# Altium PCB PROC114E3_BRD.PcbDoc (part 11 of 18)
Units mm, origin at the board's own origin, x right, y up, seen from the top; angles counter-clockwise.
Board outline 85 x 155.18 mm, 10 copper layers (TOP, L02_GND1, L03_SIG1, L04_GND2, L05_PWR1, L06_PWR2, L07_GND3, L08_SIG2, L09_GND4, BOTTOM), stack 1.134 mm thick; 1389 components, 1010 nets, 5137 pads, 3263 vias.
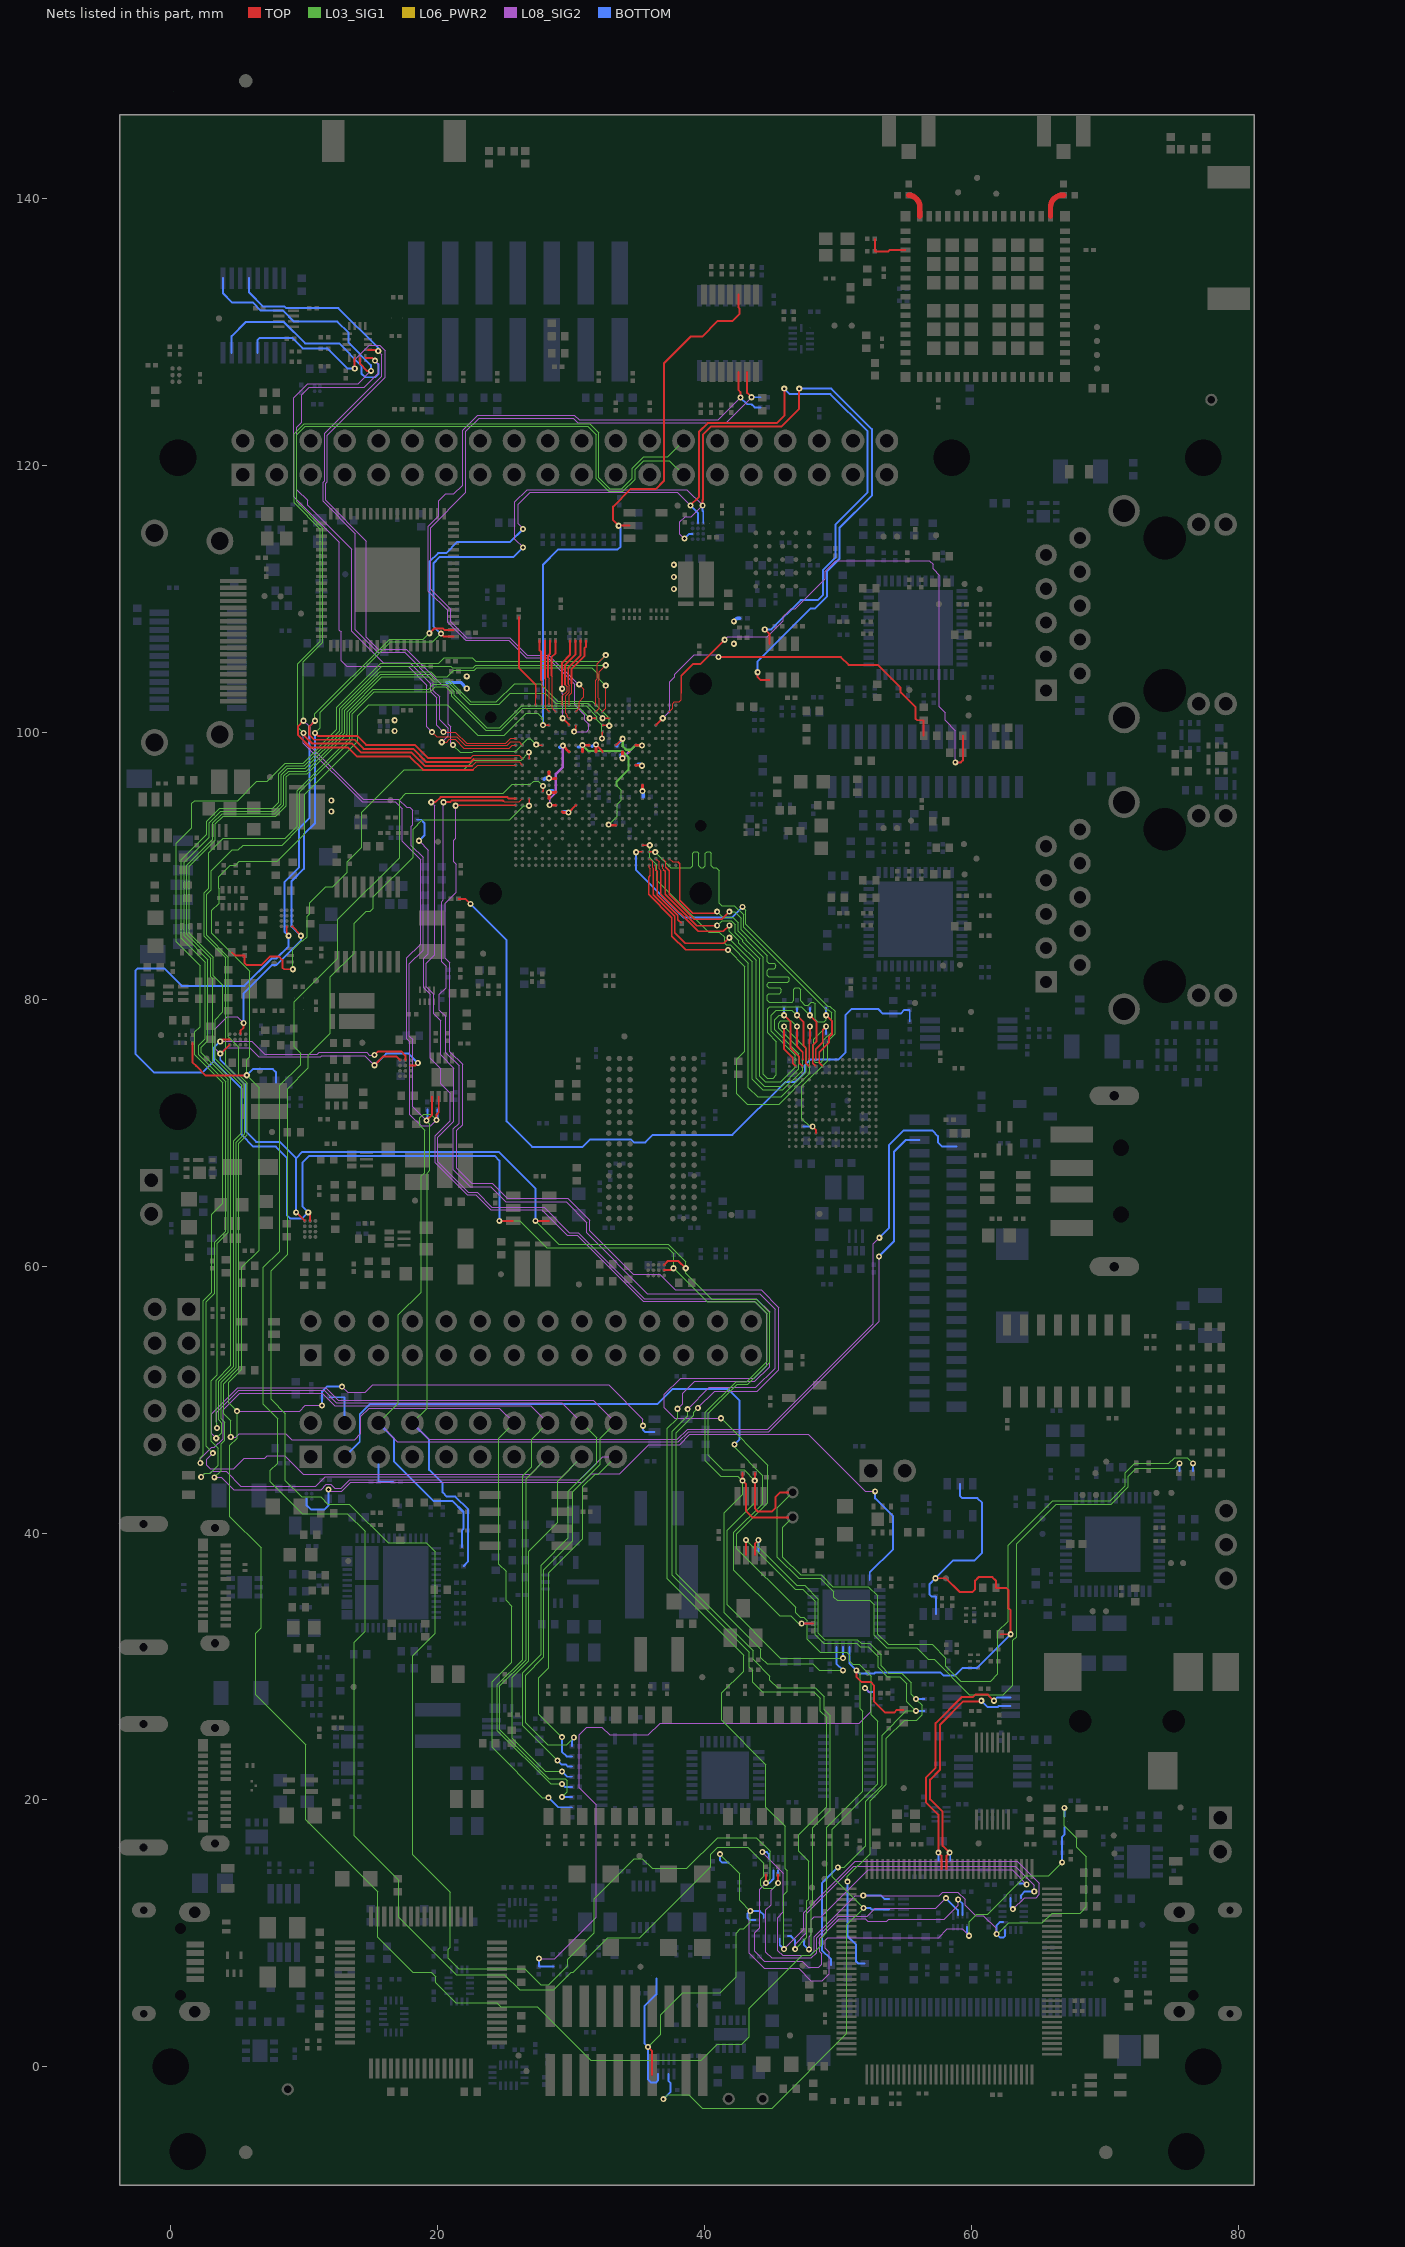
[diagram p19: the nets of this part, all layers, seen from the top]

## Via types
v1: diameter 0.457, hole 0.203, TOP to BOTTOM, 3263 vias

## Nets (pads, with @x,y where several pads share a name; then routed paths per layer and width w, separated by ;. In a path a pad name is that pad's centre, name@x,y a point inside that pad or via, vN(x,y) a via of type N, cw(c..) or ccw(c..) an arc to the next point about the centre after c; other vN are vias at no path point) (continued)
PR0_PRU0_GPO1:  | length 141.8
  TOP w0.102: v1(31.402,101.061) 31.491,101.061 31.507,101.045 31.86,101.045
  L03_SIG1 w0.091: v1(4.505,47.193) 4.505,48.428 3.981,48.951 3.981,51.204 5.113,52.335 5.113,69.221 5.74,69.849 5.74,73.71 5.114,74.336 5.114,76.413 4.332,77.195 4.332,83.157 2.702,84.787 2.702,87.89 3.037,88.224 3.037,89.641 4.599,91.204 5.073,91.204 5.425,91.556 8.352,91.556 9.675,92.879 9.675,95.544 13.622,99.492 13.622,101.405 15.262,103.046 19.454,103.046 19.822,103.414 20.608,103.414 21.06,102.962 21.06,102.695 23.6,100.155 24.746,100.155 26.394,101.803 30.66,101.803 v1(31.402,101.061) ; 25.737,48.247 24.601,47.111 24.601,37.678 25.146,37.134 25.146,34.949 25.566,34.529 25.566,30.312 24.094,28.84 24.094,23.937 27.864,20.168 v1(28.321,20.168)
  L08_SIG2 w0.091: v1(4.505,47.193) 4.881,47.193 5.135,47.447 8.609,47.447 9.056,47 13.781,47 14.263,47.483 14.263,48.737 14.873,49.346 24.637,49.346 25.737,48.247
  BOTTOM w0.147: v1(28.321,20.168) 29.039,19.449 30.087,19.449
PR0_PRU0_GPO2:  | length 150.6
  TOP w0.081: 31.86,101.545 32.111,101.795 32.111,102.559 32.056,102.614 32.056,103.887 32.139,103.97 32.139,104.562 v1(32.609,105.033)
  L03_SIG1 w0.091: v1(3.162,45.984) 2.653,46.492 2.653,57.315 3.301,57.963 3.301,61.809 4.115,62.623 4.115,73.836 2.112,75.839 2.112,76.557 2.604,77.049 2.604,82.79 0.812,84.582 0.812,90.47 2.717,92.375 2.717,93.326 3.692,94.301 7.654,94.301 8.101,94.749 8.101,96.902 8.694,97.495 10.012,97.495 12.657,100.14 12.657,101.805 15.83,104.978 20.98,104.978 21.097,104.861 22.68,104.861 22.851,105.033 v1(32.609,105.033) ; 28.277,45.707 26.633,44.063 26.633,30.5 24.673,28.54 24.673,25.263 28.346,21.59 29.564,21.59 29.732,21.422 29.732,20.618 v1(29.326,20.211)
  L08_SIG2 w0.091: v1(3.162,45.984) 2.706,45.529 2.706,45.07 2.96,44.816 4.713,44.816 5.505,45.608 7.055,45.608 7.222,45.776 8.567,45.776 9.929,44.414 26.984,44.414 28.277,45.707
  BOTTOM w0.147: v1(29.326,20.211) 30.087,20.211
PR0_PRU0_GPO3:  | length 155.9
  TOP w0.081: 31.86,102.045 31.86,103.922 31.976,104.037 31.976,105.161 v1(32.609,105.795)
  L03_SIG1 w0.091: v1(2.224,45.248) 2.224,45.629 2.46,45.865 2.46,57.395 3.098,58.032 3.098,63.908 3.922,64.733 3.922,73.75 1.822,75.849 1.822,77.561 2.218,77.957 2.218,82.517 0.425,84.309 0.425,91.684 1.589,92.847 1.589,94.68 1.804,94.896 5.023,94.896 6.457,96.33 7.232,96.33 8.59,97.688 9.932,97.688 12.464,100.22 12.464,101.885 15.75,105.171 20.081,105.171 20.516,105.606 22.619,105.606 22.88,105.345 32.16,105.345 v1(32.609,105.795) ; 28.277,48.247 27.065,47.034 27.065,44.968 26.379,44.282 26.379,30.519 24.48,28.62 24.48,25.183 28.469,21.194 v1(29.326,21.194)
  L08_SIG2 w0.091: v1(2.224,45.248) 2.224,45.578 3.062,46.416 3.264,46.416 3.926,47.078 3.926,49.234 5.182,50.49 11.359,50.49 12.31,49.539 26.984,49.539 28.277,48.247
  BOTTOM w0.147: v1(29.326,21.194) 29.546,20.973 30.087,20.973
PR0_PRU0_GPO4:  | length 152
  TOP w0.081: 32.36,101.545 32.539,101.724 32.609,101.794 v1(32.609,103.509)
  L03_SIG1 w0.091: v1(2.286,44.196) 2.552,44.462 2.807,44.462 2.816,44.47 2.969,44.47 3.565,45.066 3.565,46.345 3.042,46.868 3.042,51.415 3.494,51.867 3.494,61.729 4.308,62.543 4.308,73.973 2.305,75.976 2.305,76.392 2.797,76.883 2.797,82.952 1.005,84.745 1.005,90.256 2.91,92.161 2.91,93.246 3.772,94.108 7.734,94.108 8.294,94.669 8.294,96.822 8.774,97.302 10.092,97.302 12.85,100.06 12.85,101.725 15.676,104.551 19.489,104.551 19.85,104.191 20.726,104.191 21.214,104.678 22.77,104.678 22.941,104.85 31.564,104.85 32.047,104.367 32.047,104.07 v1(32.609,103.509) ; v1(29.326,22.134) 28.082,22.134 25.597,24.619 25.597,29.191 26.826,30.42 26.826,38.633 28.995,40.803 28.995,43.885 30.817,45.707
  L08_SIG2 w0.091: v1(2.286,44.196) 2.552,44.462 2.807,44.462 2.816,44.47 2.941,44.47 3.083,44.613 4.154,44.613 5.257,43.51 10.869,43.51 11.579,44.221 29.331,44.221 30.817,45.707
  BOTTOM w0.147: v1(29.326,22.134) 29.724,21.735 30.087,21.735
PR0_PRU0_GPO5:  | length 148.8
  TOP w0.102: 32.36,100.545 32.828,100.545 v1(32.871,100.502)
  L03_SIG1 w0.091: v1(3.468,47.864) 3.468,48.24 3.402,48.306 3.402,51.444 4.514,52.555 4.514,59.172 4.501,59.185 4.501,74.054 3.149,75.406 3.149,81.54 2.996,81.693 2.996,83.09 1.198,84.888 1.198,90.043 3.162,92.008 3.162,93.226 3.852,93.915 7.814,93.915 8.487,94.589 8.487,96.742 8.854,97.109 10.172,97.109 13.043,99.98 13.043,101.645 15.756,104.358 19.409,104.358 19.805,103.963 20.836,103.963 22.505,102.293 24.418,102.293 25.777,103.652 27.715,103.652 29.016,102.352 31.589,102.352 32.871,101.071 v1(32.871,100.502) ; v1(28.995,22.946) 26.401,25.541 26.401,29.546 27.771,30.916 27.771,37.597 29.808,39.634 29.808,43.114 31.942,45.247 31.942,47.122 30.817,48.247
  L08_SIG2 w0.091: v1(3.468,47.864) 3.468,49.05 5.102,50.683 11.492,50.683 12.427,49.748 29.315,49.748 30.817,48.247
  BOTTOM w0.147: v1(28.995,22.946) 29.3,22.642 29.63,22.642 29.775,22.497 30.087,22.497
PR0_PRU0_GPO6:  | length 149.2
  TOP w0.102: v1(32.32,99.553) 32.36,99.593 32.36,100.045
  L03_SIG1 w0.091: v1(3.277,44.171) 3.788,44.682 3.788,46.689 4.037,46.938 4.037,48.304 3.788,48.553 3.788,51.284 4.919,52.415 4.919,69.301 5.539,69.921 5.539,73.625 4.114,75.051 4.114,83.102 2.509,84.707 2.509,88.002 2.838,88.331 2.838,90.968 3.936,92.065 8.588,92.065 9.482,92.959 9.482,95.624 13.429,99.572 13.429,101.485 15.195,103.251 19.33,103.251 19.675,103.597 20.684,103.597 21.243,103.037 21.243,102.886 ; 21.243,102.886 21.243,102.771 23.676,100.338 24.67,100.338 26.318,101.986 31.15,101.986 31.942,101.194 31.942,100.941 32.32,100.563 v1(32.32,99.553) ; v1(29.326,24.699) 27.595,26.43 27.595,29.164 28.335,29.904 28.335,37.018 30.9,39.583 30.9,43.495 31.815,44.409 32.06,44.409 33.357,45.707
  L08_SIG2 w0.091: v1(3.277,44.171) 3.788,44.171 4.718,43.241 11.268,43.241 11.667,43.641 12.009,43.641 12.302,43.348 12.768,43.348 13.413,43.993 30.659,43.993 32.373,45.707 33.357,45.707
  BOTTOM w0.147: v1(29.326,24.699) 29.326,23.607 29.673,23.259 30.087,23.259
PR0_PRU0_GPO7:  | length 152.9
  TOP w0.102: v1(32.378,101.061) 32.393,101.045 32.86,101.045
  L03_SIG1 w0.091: v1(3.418,47.102) 3.844,47.528 3.844,48.224 3.595,48.473 3.595,51.364 4.726,52.495 4.726,69.381 5.338,69.992 5.338,73.554 3.342,75.55 3.342,78.471 3.92,79.05 3.92,81.041 3.189,81.773 3.189,83.17 1.396,84.962 1.396,89.969 3.355,91.928 3.355,93.146 3.932,93.722 7.894,93.722 8.68,94.509 8.68,96.662 8.934,96.916 10.252,96.916 13.236,99.9 13.236,101.565 15.836,104.165 19.329,104.165 19.715,103.78 20.76,103.78 22.429,102.11 24.644,102.11 25.465,102.931 28.081,102.931 28.843,102.169 31.269,102.169 v1(32.378,101.061) ; v1(30.215,24.674) 29.671,24.13 28.245,24.13 26.594,25.781 26.594,29.348 27.979,30.734 27.979,37.247 30.138,39.406 30.138,43.089 32.196,45.146 32.196,47.085 33.357,48.247
  L08_SIG2 w0.091: v1(3.418,47.102) 3.092,47.427 3.092,48.947 5.022,50.876 11.61,50.876 12.545,49.941 31.662,49.941 33.357,48.247
  BOTTOM w0.147: 30.087,24.021 30.087,24.546 v1(30.215,24.674)
PRU_3V3_EN:  | length 56.1
  L08_SIG2 w0.091: v1(11.823,43.265) 11.974,43.114 12.816,43.114 13.501,43.8 30.871,43.8 31.521,44.45 33.656,44.45 35.838,46.632 38.136,46.632 38.911,47.408 47.766,47.408 52.052,43.122 v1(52.799,43.122)
  BOTTOM w0.147: 10.172,42.558 10.172,42.1 10.504,41.768 11.546,41.768 11.823,42.046 11.823,42.561 v1(11.823,43.265) ; 52.392,36.471 52.392,37.05 54.14,38.798 54.14,41.262 52.799,42.603 v1(52.799,43.122)
PRU_DETECT:  | length 56.3
  TOP w0.147: v1(47.291,33.221) 48.142,33.221
  L03_SIG1 w0.091: v1(42.259,46.637) 42.259,46.412 44.362,44.309 44.362,42.203 42.215,40.056 42.215,37.211 45.644,33.782 46.457,33.782 47.017,33.221 v1(47.291,33.221)
  BOTTOM w0.147: 13.037,45.707 14.17,46.839 14.17,48.913 14.924,49.667 36.484,49.667 37.617,50.8 41.757,50.8 42.621,49.936 42.621,46.999 v1(42.259,46.637) ; v1(47.291,33.221) 48.142,33.221
PRU_INTN:  | length 3
  BOTTOM w0.147: 15.577,45.707 15.577,43.825 16.668,43.825
PRU_RESETZ:  | length 3.1
  BOTTOM w0.147: 11.902,50.175 13.037,50.175 13.037,48.247
RESETSTATZ:  | length 322.5
  TOP w0.102: v1(27.899,100.545) 28.36,100.545
  TOP w0.147: 1.635,76.714 1.635,75.275 1.666,75.243 ; 1.666,75.243 1.903,75.006 ; 1.904,75.006 2.605,74.305 v1(5.704,74.305) ; 34.394,115.509 33.594,115.509 v1(33.577,115.492) 33.154,115.914 33.154,116.93 34.461,118.237 36.343,118.237 36.974,118.868 36.974,127.685 38.959,129.67 39.824,129.67 40.974,130.819 42.09,130.819 42.639,131.369 42.639,131.757 42.56,131.836 42.56,132.821 ; v1(51.392,29.706) 51.392,29.213 51.764,28.84 52.452,28.84 52.705,28.588 52.705,27.399 53.562,26.542 54.231,26.542 54.431,26.742 54.924,26.742 ; v1(57.316,36.612) 58.104,36.612 59.12,35.596 60.11,35.596 60.288,35.773 60.288,36.434 60.542,36.688 61.584,36.688 61.855,36.416 61.855,35.894 62.626,35.894 62.803,35.717 62.803,34.351 62.955,34.199 v1(62.955,32.414) 62.184,32.414
  L03_SIG1 w0.091: v1(27.899,100.545) 27.899,101.048 27.51,101.437 26.657,101.437 25.009,99.789 23.025,99.789 20.747,102.067 14.83,102.067 14.028,101.265 14.028,99.352 10.061,95.384 10.061,92.421 7.995,90.355 5.154,90.355 4.863,90.064 4.472,90.064 3.596,89.188 3.596,88.325 3.647,88.274 3.647,87.216 3.097,86.665 3.097,84.939 5.922,82.113 5.922,75.692 5.704,75.474 v1(5.704,74.305) 6.633,73.376 6.633,61.197 5.337,59.901 5.337,52.284 4.357,51.304 4.357,49.749 v1(4.972,49.134) 4.972,47.111 4.447,46.586 4.447,41.229 6.794,38.881 6.794,32.908 6.364,32.478 6.364,27.875 10.123,24.116 10.123,18.516 15.508,13.131 15.508,9.701 18.131,7.078 19.514,7.078 19.851,6.741 19.851,6.309 21.36,4.801 24.427,4.801 24.732,4.496 27.475,4.496 31.488,0.483 39.755,0.483 40.959,1.687 42.786,1.687 43.357,2.257 43.357,4.367 47.346,8.357 47.983,8.357 48.777,9.151 48.777,9.686 49.174,10.084 49.174,17.954 51.855,20.635 51.855,26.63 51.663,26.823 51.663,29.435 v1(51.392,29.706)
  L08_SIG2 w0.091: v1(4.972,49.134) 9.662,49.134 10.093,49.565 v1(11.342,49.565) ; v1(12.836,50.972) 13.256,50.552 14.579,50.552 15.137,51.11 27.983,51.11 32.825,51.11 35.396,48.538 v1(35.396,48.037)
  BOTTOM w0.147: v1(5.704,74.305) 6.161,74.762 7.659,74.762 7.896,74.526 7.896,73.777 ; v1(11.342,49.565) 11.342,50.175 11.342,50.603 11.711,50.972 v1(12.836,50.972) ; v1(27.899,100.545) 27.899,112.549 29.062,113.712 33.502,113.712 33.719,113.929 33.719,115.328 33.577,115.471 v1(33.577,115.492) ; v1(35.396,48.037) 35.396,47.735 35.544,47.587 36.251,47.587 ; 50.891,31.472 50.891,30.206 v1(51.392,29.706) 51.632,29.466 52.724,29.466 52.809,29.55 57.69,29.55 57.922,29.318 58.773,29.318 59.329,29.874 60.415,29.874 v1(62.955,32.414) ; 57.347,33.939 57.347,35.241 57.032,35.241 56.885,35.389 56.885,36.18 v1(57.316,36.612) 58.652,37.948 60.249,37.948 60.808,38.506 60.808,42.266 60.452,42.621 59.311,42.621 59.163,42.769 59.163,43.693
RF_ANT1:  | length 2
  TOP w0.406: 55.317,140.257 cw(c55.317,139.52) 55.838,140.041 55.917,139.962 cw(c55.377,139.422) 56.141,139.422 56.141,138.679
RF_ANT2:  | length 2.2
  TOP w0.406: 65.94,138.679 65.94,139.385 cw(c66.812,139.385) 66.812,140.257 66.922,140.257
SEL_XDS:  | length 50.8
  L03_SIG1 w0.091: v1(61.9,9.957) 61.984,9.957 62.807,10.78 65.317,10.78 66.054,11.517 68.159,11.517 68.631,11.989 68.631,15.723 67.92,16.434 67.92,17.12 66.978,18.062 v1(66.978,19.406)
  L08_SIG2 w0.091: v1(44.341,16.088) 45.924,14.505 45.924,11.605 45.491,11.172 45.491,8.712 45.857,8.346 47.922,8.346 48.218,8.643 48.218,9.732 51.318,12.832 v1(51.906,12.832) 57.602,12.832 57.846,13.076 59.006,13.076 59.531,12.551 59.531,12.122 60.32,11.334 60.914,11.334 61.86,10.388 61.86,9.996 v1(61.9,9.957)
  BOTTOM w0.147: v1(44.341,16.088) 44.678,16.088 44.826,15.941 44.826,15.612 ; v1(51.906,12.832) 52.965,12.832 52.97,12.837 53.227,12.837 53.484,12.58 53.821,12.58 ; 62.383,10.84 62.152,10.84 61.9,10.588 v1(61.9,9.957) 62.177,9.679 62.386,9.679 62.534,9.826 62.534,10.24 ; 66.978,18.766 v1(66.978,19.406)
SEL_XDS110_INV:  | length 73.4
  TOP w0.147: v1(35.777,1.483) 36.082,1.179 36.082,-0.612
  L03_SIG1 w0.091: v1(35.777,1.483) 36.747,2.454 36.747,3.901 38.393,5.547 41.187,5.547 42.371,6.731 42.371,10.012 42.687,10.328 42.946,10.328 43.442,10.824 v1(43.442,11.671) 42.635,12.478 42.635,14.463 v1(41.162,15.936) ; v1(59.831,9.815) 59.831,10.856 60.415,11.44 61.228,11.44 64.098,14.31 65.801,14.31 v1(66.81,15.32)
  L08_SIG2 w0.091: v1(43.442,11.671) 43.372,11.601 43.372,8.495 44.495,7.371 47.055,7.371 47.97,6.456 48.849,6.456 49.36,6.967 49.36,8.577 49.041,8.895 49.041,9.463 49.261,9.682 57.546,9.682 58.202,10.339 59.306,10.339 v1(59.831,9.815)
  BOTTOM w0.147: 36.396,6.598 36.396,5.43 35.523,4.557 35.523,1.737 v1(35.777,1.483) 35.777,-0.96 36.001,-1.184 36.373,-1.184 36.52,-1.036 36.52,-0.538 ; v1(41.162,15.936) 41.162,15.465 41.309,15.317 41.821,15.317 ; 43.848,10.998 43.407,10.998 43.219,11.186 43.219,11.449 v1(43.442,11.671) 44.157,11.671 44.448,11.38 44.448,11.148 ; 59.696,10.457 59.696,9.95 v1(59.831,9.815) ; v1(66.81,15.32) 66.81,16.031 66.81,16.793 66.81,17.226 66.978,17.393 66.978,17.987
SLOW_CLK:  | length 3.3
  TOP w0.147: 52.77,136.992 52.77,136.053 53.786,136.053 53.887,136.154 55.065,136.154
SOC_CLKIN:  | length 57
  TOP w0.147: 21.567,87.533 22.092,87.533 v1(22.468,87.157)
  BOTTOM w0.147: v1(22.468,87.157) 25.185,84.44 25.185,70.851 27.09,68.946 30.875,68.946 31.408,69.479 34.507,69.479 34.71,69.276 35.574,69.276 36.133,69.835 42.102,69.835 46.064,73.797 46.826,73.797 47.537,74.508 47.537,75.067 47.944,75.474 50.027,75.474 50.56,76.007 50.56,78.801 51.017,79.258 53.049,79.258 53.376,78.931 54.167,78.931 54.703,78.931 54.984,79.212 55.39,79.212 55.39,78.316
SOC_DVDD1V8:  | length 19.7
  TOP w0.203: v1(28.403,94.561) 28.42,94.545 28.86,94.545 ; v1(29.394,99.011) 29.86,98.545 ; 30.86,98.545 v1(30.86,99.045) 31.361,99.045 ; v1(32.827,93.088) 32.87,93.045 33.361,93.045
  L03_SIG1 w0.081: v1(32.827,93.088) 33.473,93.735 33.473,94.633 33.776,94.935 33.776,95.669 33.435,96.01
  L03_SIG1 w0.152: v1(30.86,99.045) 31.295,98.61 33.858,98.61 34.309,98.159 34.309,97.201 33.428,96.32 33.428,96.016 33.435,96.01
  L08_SIG2 w0.102: v1(28.403,94.561) 28.403,95.024 28.868,95.489 28.868,95.717
  L08_SIG2 w0.203: 28.868,95.717 28.868,96.886 29.394,97.412 v1(29.394,99.011)
  BOTTOM w0.254: 20.672,103.744 21.731,103.744 v1(22.188,103.287) ; 29.17,98.882 29.266,98.882 v1(29.394,99.011) ; 30.55,98.905 30.721,98.905 v1(30.86,99.045)
  other v1: 12.041,94.079 12.041,94.892 22.188,104.201
SOC_DVDD3V3:  | length 16.2
  TOP w0.152: v1(29.82,94.002) 30.36,94.543 30.36,94.545 ; v1(31.884,99.086) 32.36,98.609 32.36,98.545 ; 33.361,99.045 33.395,99.045 v1(33.877,99.527)
  TOP w0.203: 28.36,95.045 28.36,95.485 v1(28.342,95.504) 28.82,95.504 28.86,95.545 ; 28.36,97.045 v1(28.36,96.568) 28.409,96.519 28.697,96.519 28.723,96.545 28.86,96.545 ; 29.361,94.045 29.403,94.002 v1(29.82,94.002) ; 31.86,98.545 31.884,98.568 v1(31.884,99.086) ; v1(33.86,98.062) 33.86,98.545 ; 34.86,97.545 35.275,97.545 v1(35.317,97.503) ; 34.86,99.045 35.296,99.045 v1(35.318,99.024) ; v1(35.361,95.598) 35.361,96.045
  L03_SIG1 w0.178: v1(33.877,99.527) 33.877,98.965 34.153,98.689 34.484,98.689 34.818,99.024 v1(35.318,99.024)
  L06_PWR2 w0.127: 34.355,98.562 34.816,99.024 v1(35.318,99.024)
  L08_SIG2 w0.178: v1(33.86,98.062) 34.822,99.024 v1(35.318,99.024)
  BOTTOM w0.203: 33.454,98.964 33.454,99.046 33.755,99.346 33.755,99.405 v1(33.877,99.527)
  BOTTOM w0.254: 28.005,96.487 28.086,96.568 v1(28.36,96.568) ; v1(28.342,95.504) 28.474,95.636 28.627,95.636 ; 29.468,94.073 29.749,94.073 v1(29.82,94.002) ; 31.609,98.948 31.746,99.086 v1(31.884,99.086) ; 33.748,98.344 33.748,98.174 v1(33.86,98.062) ; 35.038,97.627 35.193,97.627 v1(35.317,97.503) ; v1(35.361,95.598) 35.406,95.553 35.406,95.194 ; v1(42.206,108.326) 42.445,108.565 42.663,108.565
  other v1: 16.785,100.101 16.785,100.914 42.206,106.65 37.707,110.741 37.707,111.656 37.707,112.57
SOC_EMU0:  | length 171
  TOP w0.102: 27.86,95.545 27.906,95.591 v1(27.906,95.992)
  TOP w0.147: v1(45.526,13.764) 45.526,14.425
  L03_SIG1 w0.091: v1(27.906,95.992) 27.54,96.358 27.198,96.358 26.949,96.109 25.604,96.109 24.939,95.443 17.628,95.443 17.156,94.97 17.156,90.61 12.535,85.989 12.535,83.066 9.278,79.809 9.278,76.429 9.739,75.969 9.739,75.103 8.177,73.541 8.177,61.132 6.947,59.902 6.947,49.644 8.009,48.582 8.009,45.244 7.466,44.701 7.466,43.843 9.847,41.463 13.236,41.463 14.58,40.119 14.58,32.639 13.75,31.81 13.75,17.329 17.095,13.984 17.095,11.207 21.394,6.909 25.011,6.909 26.166,5.754 28.695,5.754 30.033,7.092 30.189,7.092 32.763,9.666 35.165,9.666 40.488,14.989 40.488,15.926 40.996,16.434 43.256,16.434 44.439,15.251 44.439,14.26 44.235,14.056 44.235,13.608 44.455,13.388 45.15,13.388 v1(45.526,13.764)
  L08_SIG2 w0.091: v1(45.526,13.764) 44.997,13.236 44.997,12.151 44.602,11.756 44.602,8.585 45.034,8.153 48.002,8.153 48.411,8.563 48.411,9.652 50.032,11.273 52.196,11.273 52.795,11.872 57.342,11.872 v1(58.104,12.634)
  BOTTOM w0.147: v1(45.526,13.764) 45.526,14.712 ; v1(58.104,12.634) 58.996,11.742 58.996,11.357
SOC_EMU1:  | length 172.8
  TOP w0.102: v1(26.86,94.504) 26.86,95.045
  TOP w0.147: v1(44.611,13.764) 44.611,14.425
  L03_SIG1 w0.091: v1(26.86,94.504) 26.474,94.504 25.417,93.447 18.872,93.447 18.174,92.748 18.174,90.657 15.183,87.667 15.183,86.841 14.941,86.599 14.646,86.599 13.763,85.716 13.763,83.527 13.753,83.516 13.753,83.465 11.975,81.687 11.975,77.457 10.318,75.8 10.318,74.863 8.766,73.311 8.766,60.902 7.536,59.672 7.536,50.02 8.604,48.952 8.604,43.923 9.814,42.714 11.235,42.714 11.777,42.171 13.396,42.171 16.289,39.279 19.146,39.279 19.816,38.608 19.816,32.497 18.136,30.817 18.136,15.898 20.964,13.07 20.964,8.946 20.822,8.804 20.822,8.135 21.605,7.351 26.541,7.351 27.73,6.162 28.339,6.162 29.757,7.58 29.757,8.062 31.733,10.038 31.733,12.582 34.753,15.601 35.351,15.601 36.093,14.859 38.69,14.859 41.001,17.17 43.891,17.17 44.925,16.136 44.925,14.078 v1(44.611,13.764)
  L08_SIG2 w0.091: v1(44.611,13.764) 44.159,13.312 44.159,10.429 43.758,10.027 43.758,8.655 44.503,7.91 47.334,7.91 47.786,7.457 48.582,7.457 48.802,7.677 48.802,8.473 48.655,8.621 48.655,9.623 50.112,11.079 52.073,11.079 52.252,10.9 53.648,10.9 53.812,11.064 57.98,11.064 59.018,12.102 v1(59.018,12.532)
  BOTTOM w0.147: v1(44.611,13.764) 44.868,13.764 45.176,14.072 45.176,14.712 ; v1(59.018,12.532) 59.346,12.205 59.346,11.357
SOC_GPIO1_49:  | length 35.4
  TOP w0.102: v1(26.843,98.507) 26.86,98.49 26.86,98.045
  TOP w0.147: 4.588,83.525 4.83,83.283 5.55,83.283 5.55,82.707 5.697,82.56 6.796,82.56 7.456,83.221 8.091,83.221 8.371,82.941 8.371,82.378 8.498,82.251 v1(9.158,82.251)
  L03_SIG1 w0.091: v1(9.158,82.251) 9.158,83.729 9.817,84.388 9.912,84.388 10.221,84.697 10.221,86.221 10.408,86.407 10.408,87.22 11.61,88.422 12.149,88.422 13.247,89.521 13.247,90.314 14.319,91.385 14.319,94.002 17.503,97.185 21.954,97.185 22.696,97.927 26.264,97.927 v1(26.843,98.507)
SOC_I2C0_SCL:  | length 212.7
  TOP w0.081: 22.589,97.49 22.893,97.794 26.111,97.794 26.36,97.545
  TOP w0.147: v1(9.953,99.959) 9.953,99.835 10.631,99.157 13.593,99.157 14.268,98.481 18.058,98.481 19.048,97.49 22.589,97.49 ; v1(19.927,70.956) 19.927,71.36 20.092,71.525 20.092,72.705
  L03_SIG1 w0.091: v1(9.953,99.959) 9.514,100.399 9.514,105.144 11.206,106.837 11.206,115.235 9.245,117.197 9.245,122.373 9.995,123.123 31.405,123.123 32.084,122.443 32.084,119.089 32.918,118.255 33.796,118.255 34.609,119.068 34.609,119.797 35.472,120.66 37.243,120.66 38.437,121.854 ; 15.577,48.247 17.069,49.738 17.069,56.344 18.774,58.049 18.774,66.757 19.028,67.011 19.028,70.201 18.673,70.556 18.673,71.117 18.95,71.394 19.488,71.394 v1(19.927,70.956)
  L08_SIG2 w0.091: v1(9.953,99.959) 9.953,99.202 14.344,94.812 16.819,94.812 17.362,94.268 17.362,91.831 18.729,90.465 18.729,84.13 17.705,83.106 17.705,77.054 17.936,76.823 17.936,71.345 18.766,70.515 19.487,70.515 v1(19.927,70.956) ; 15.577,48.247 16.998,46.825 38.056,46.825 38.831,47.601 44.829,47.601 53.086,55.858 v1(53.086,60.731)

## Text inside footprints (layer, text, board x,y; h text height)
U29: PIN_NUMBER "L8" at 33.43,71.693 h0.25 r180; PIN_NUMBER "A7" at 34.231,63.693 h0.25 r180; PIN_NUMBER "M8" at 33.43,72.493 h0.25 r180; PIN_NUMBER "A3" at 37.43,63.693 h0.25 r180; PIN_NUMBER "L3" at 37.43,71.693 h0.25 r180; PIN_NUMBER "R8" at 33.43,74.892 h0.25 r180; PIN_NUMBER "M2" at 38.231,72.493 h0.25 r180; PIN_NUMBER "F7" at 34.231,67.693 h0.25 r180; PIN_NUMBER "H7" at 34.231,69.292 h0.25 r180; PIN_NUMBER "C8" at 33.43,65.292 h0.25 r180; PIN_NUMBER "B7" at 34.231,64.493 h0.25 r180; PIN_NUMBER "M3" at 37.43,72.493 h0.25 r180; PIN_NUMBER "P2" at 38.231,74.093 h0.25 r180; PIN_NUMBER "P9" at 32.631,74.093 h0.25 r180; PIN_NUMBER "H8" at 33.43,69.292 h0.25 r180; PIN_NUMBER "T2" at 38.231,75.693 h0.25 r180; PIN_NUMBER "T8" at 33.43,75.693 h0.25 r180; PIN_NUMBER "M7" at 34.231,72.493 h0.25 r180; PIN_NUMBER "N3" at 37.43,73.292 h0.25 r180; PIN_NUMBER "C2" at 38.231,65.292 h0.25 r180; PIN_NUMBER "T3" at 37.43,75.693 h0.25 r180; PIN_NUMBER "R7" at 34.231,74.892 h0.25 r180; PIN_NUMBER "K8" at 33.43,70.892 h0.25 r180; PIN_NUMBER "N2" at 38.231,73.292 h0.25 r180; PIN_NUMBER "R2" at 38.231,74.892 h0.25 r180; PIN_NUMBER "N7" at 34.231,73.292 h0.25 r180; PIN_NUMBER "R3" at 37.43,74.892 h0.25 r180; PIN_NUMBER "L2" at 38.231,71.693 h0.25 r180; PIN_NUMBER "P8" at 33.43,74.093 h0.25 r180; PIN_NUMBER "J3" at 37.43,70.093 h0.25 r180; PIN_NUMBER "E7" at 34.231,66.892 h0.25 r180; PIN_NUMBER "N8" at 33.43,73.292 h0.25 r180; PIN_NUMBER "F3" at 37.43,67.693 h0.25 r180; PIN_NUMBER "H3" at 37.43,69.292 h0.25 r180; PIN_NUMBER "R9" at 32.631,74.892 h0.25 r180; PIN_NUMBER "B1" at 39.03,64.493 h0.25 r180; PIN_NUMBER "J9" at 32.631,70.093 h0.25 r180; PIN_NUMBER "J8" at 33.43,70.093 h0.25 r180; PIN_NUMBER "B3" at 37.43,64.493 h0.25 r180; PIN_NUMBER "A1" at 39.03,63.693 h0.25 r180; PIN_NUMBER "J2" at 38.231,70.093 h0.25 r180; PIN_NUMBER "J1" at 39.03,70.093 h0.25 r180; PIN_NUMBER "G1" at 39.03,68.493 h0.25 r180; PIN_NUMBER "F2" at 38.231,67.693 h0.25 r180; PIN_NUMBER "C1" at 39.03,65.292 h0.25 r180; PIN_NUMBER "D1" at 39.03,66.093 h0.25 r180; PIN_NUMBER "L1" at 39.03,71.693 h0.25 r180; PIN_NUMBER "A9" at 32.631,63.693 h0.25 r180; PIN_NUMBER "D9" at 32.631,66.093 h0.25 r180; PIN_NUMBER "B9" at 32.631,64.493 h0.25 r180; PIN_NUMBER "G9" at 32.631,68.493 h0.25 r180; PIN_NUMBER "G7" at 34.231,68.493 h0.25 r180; PIN_NUMBER "F8" at 33.43,67.693 h0.25 r180; PIN_NUMBER "L9" at 32.631,71.693 h0.25 r180; PIN_NUMBER "R1" at 39.03,74.892 h0.25 r180; PIN_NUMBER "T9" at 32.631,75.693 h0.25 r180; PIN_NUMBER "N9" at 32.631,73.292 h0.25 r180; PIN_NUMBER "G3" at 37.43,68.493 h0.25 r180; PIN_NUMBER "B8" at 33.43,64.493 h0.25 r180; PIN_NUMBER "L7" at 34.231,71.693 h0.25 r180; PIN_NUMBER "K7" at 34.231,70.892 h0.25 r180; PIN_NUMBER "D7" at 34.231,66.093 h0.25 r180; PIN_NUMBER "K2" at 38.231,70.892 h0.25 r180; PIN_NUMBER "P7" at 34.231,74.093 h0.25 r180; PIN_NUMBER "C3" at 37.43,65.292 h0.25 r180; PIN_NUMBER "C7" at 34.231,65.292 h0.25 r180; PIN_NUMBER "D3" at 37.43,66.093 h0.25 r180; PIN_NUMBER "P3" at 37.43,74.093 h0.25 r180; PIN_NUMBER "K3" at 37.43,70.892 h0.25 r180; PIN_NUMBER "P1" at 39.03,74.093 h0.25 r180; PIN_NUMBER "M1" at 39.03,72.493 h0.25 r180; PIN_NUMBER "H2" at 38.231,69.292 h0.25 r180; PIN_NUMBER "E2" at 38.231,66.892 h0.25 r180; PIN_NUMBER "G2" at 38.231,68.493 h0.25 r180; PIN_NUMBER "J7" at 34.231,70.093 h0.25 r180; PIN_NUMBER "D8" at 33.43,66.093 h0.25 r180; PIN_NUMBER "E9" at 32.631,66.892 h0.25 r180; PIN_NUMBER "E8" at 33.43,66.892 h0.25 r180; PIN_NUMBER "M9" at 32.631,72.493 h0.25 r180; PIN_NUMBER "T1" at 39.03,75.693 h0.25 r180; PIN_NUMBER "F1" at 39.03,67.693 h0.25 r180; PIN_NUMBER "H1" at 39.03,69.292 h0.25 r180; PIN_NUMBER "K1" at 39.03,70.892 h0.25 r180; PIN_NUMBER "G8" at 33.43,68.493 h0.25 r180; PIN_NUMBER "B2" at 38.231,64.493 h0.25 r180; PIN_NUMBER "E1" at 39.03,66.892 h0.25 r180; PIN_NUMBER "A2" at 38.231,63.693 h0.25 r180; PIN_NUMBER "A8" at 33.43,63.693 h0.25 r180; PIN_NUMBER "C9" at 32.631,65.292 h0.25 r180; PIN_NUMBER "N1" at 39.03,73.292 h0.25 r180; PIN_NUMBER "D2" at 38.231,66.093 h0.25 r180; PIN_NUMBER "E3" at 37.43,66.892 h0.25 r180; PIN_NUMBER "K9" at 32.631,70.892 h0.25 r180; PIN_NUMBER "H9" at 32.631,69.292 h0.25 r180; PIN_NUMBER "T7" at 34.231,75.693 h0.25 r180; PIN_NUMBER "F9" at 32.631,67.693 h0.25 r180; DISPLAY_BOTTOM "R" at 92.358,78.193 h0.51 r180; DISPLAY_BOTTOM "P" at 92.358,77.431 h0.51 r180; DISPLAY_BOTTOM "N" at 92.358,76.669 h0.51 r180; DISPLAY_BOTTOM "M" at 92.358,75.78 h0.51 r180; DISPLAY_BOTTOM "L" at 92.358,75.018 h0.51 r180; DISPLAY_BOTTOM "K" at 92.358,74.256 h0.51 r180; DISPLAY_BOTTOM "J" at 92.358,73.494 h0.51 r180; DISPLAY_BOTTOM "H" at 92.358,72.605 h0.51 r180; DISPLAY_BOTTOM "G" at 92.358,71.843 h0.51 r180; DISPLAY_BOTTOM "F" at 92.358,71.081 h0.51 r180; DISPLAY_BOTTOM "E" at 92.358,70.192 h0.51 r180; DISPLAY_BOTTOM "D" at 92.358,69.43 h0.51 r180; DISPLAY_BOTTOM "C" at 84.941,62.521 h0.51 r180; DISPLAY_BOTTOM "B" at 84.941,61.632 h0.51 r180; DISPLAY_BOTTOM "9" at 87.558,59.092 h0.51 r180; DISPLAY_BOTTOM "8" at 88.32,59.092 h0.51 r180; DISPLAY_BOTTOM "7" at 89.209,59.092 h0.51 r180; DISPLAY_BOTTOM "3" at 87.38,54.317 h0.51 r180; DISPLAY_BOTTOM "2" at 88.142,54.317 h0.51 r180; Bottom Overlay "T" at 40.87,75.203 h0.51; Bottom Overlay "A" at 40.59,62.934 h0.51; Bottom Overlay "1" at 39.676,61.893 h0.51
U30: PIN_NUMBER "4" at 14.566,67.379 h0.25; PIN_NUMBER "6" at 14.566,68.379 h0.25; PIN_NUMBER "1" at 13.466,68.379 h0.25; PIN_NUMBER "2" at 13.466,67.879 h0.25; PIN_NUMBER "3" at 13.466,67.379 h0.25; PIN_NUMBER "5" at 14.566,67.879 h0.25; Top Overlay "3" at 12.636,66.739 h0.64
U32: PIN_NUMBER "4" at 5.111,63.199 h0.25 r90; PIN_NUMBER "6" at 4.111,63.199 h0.25 r90; PIN_NUMBER "2" at 4.611,62.099 h0.25 r90; PIN_NUMBER "3" at 5.111,62.099 h0.25 r90; PIN_NUMBER "1" at 4.111,62.099 h0.25 r90; PIN_NUMBER "5" at 4.611,63.199 h0.25 r90; Top Overlay "6" at 2.603,62.801 h0.64
U33: PIN_NUMBER "5" at 25.563,64.475 h0.25 r180; PIN_NUMBER "2" at 28.263,64.475 h0.25 r180; PIN_NUMBER "6" at 25.563,63.525 h0.25 r180; PIN_NUMBER "1" at 28.263,63.525 h0.25 r180; PIN_NUMBER "4" at 25.563,65.425 h0.25 r180; PIN_NUMBER "3" at 28.263,65.425 h0.25 r180; Top Overlay "6" at 24.449,63.019 h0.64; Top Overlay "4" at 25.312,65.788 h0.64; Top Overlay "3" at 28.31,65.788 h0.64
U34: PIN_NUMBER "2" at 61.095,65.768 h0.25; PIN_NUMBER "3" at 61.095,64.819 h0.25; PIN_NUMBER "5" at 63.795,65.768 h0.25; PIN_NUMBER "6" at 63.795,66.718 h0.25; PIN_NUMBER "4" at 63.795,64.819 h0.25; PIN_NUMBER "1" at 61.095,66.718 h0.25; Top Overlay "6" at 64.567,67.399 h0.64; Top Overlay "4" at 64.706,64.71 h0.64; Top Overlay "3" at 59.88,64.71 h0.64
U35: PIN_NUMBER "4" at 17.385,61.435 h0.25; PIN_NUMBER "6" at 17.385,62.435 h0.25; PIN_NUMBER "1" at 16.285,62.435 h0.25; PIN_NUMBER "2" at 16.285,61.935 h0.25; PIN_NUMBER "5" at 17.385,61.935 h0.25; PIN_NUMBER "3" at 16.285,61.435 h0.25
U36: PIN_NUMBER "B2" at 10.247,62.861 h0.25; PIN_NUMBER "C2" at 10.247,62.462 h0.25; PIN_NUMBER "C1" at 9.847,62.462 h0.25; PIN_NUMBER "C3" at 10.647,62.462 h0.25; PIN_NUMBER "A2" at 10.247,63.261 h0.25; PIN_NUMBER "A1" at 9.847,63.261 h0.25; PIN_NUMBER "B3" at 10.647,62.861 h0.25; PIN_NUMBER "B1" at 9.847,62.861 h0.25; PIN_NUMBER "A3" at 10.647,63.261 h0.25; PIN_NUMBER "D3" at 10.647,62.062 h0.25; PIN_NUMBER "D2" at 10.247,62.062 h0.25; PIN_NUMBER "D1" at 9.847,62.062 h0.25; DISPLAY_BOTTOM "D" at 6.856,40.31 h0.51; DISPLAY_BOTTOM "C" at 7.491,40.691 h0.51; DISPLAY_BOTTOM "B" at 6.856,41.199 h0.51; DISPLAY_BOTTOM "A" at 7.491,41.707 h0.51; DISPLAY_BOTTOM "2" at 8.888,43.358 h0.51; DISPLAY_BOTTOM "3" at 9.269,42.596 h0.51; DISPLAY_BOTTOM "1" at 8.38,42.596 h0.51
U37: PIN_NUMBER "B2" at 36.253,59.7 h0.25 r270; PIN_NUMBER "C2" at 35.853,59.7 h0.25 r270; PIN_NUMBER "B3" at 36.253,59.3 h0.25 r270; PIN_NUMBER "C3" at 35.853,59.3 h0.25 r270; PIN_NUMBER "C1" at 35.853,60.1 h0.25 r270; PIN_NUMBER "A2" at 36.653,59.7 h0.25 r270; PIN_NUMBER "A1" at 36.653,60.1 h0.25 r270; PIN_NUMBER "B1" at 36.253,60.1 h0.25 r270; PIN_NUMBER "D2" at 35.453,59.7 h0.25 r270; PIN_NUMBER "D1" at 35.453,60.1 h0.25 r270; PIN_NUMBER "D3" at 35.453,59.3 h0.25 r270; PIN_NUMBER "A3" at 36.653,59.3 h0.25 r270; DISPLAY_BOTTOM "D" at 90.384,58.265 h0.51 r270; DISPLAY_BOTTOM "C" at 87.869,56.893 h0.51 r270; DISPLAY_BOTTOM "B" at 88.377,57.528 h0.51 r270; DISPLAY_BOTTOM "2" at 87.59,56.893 h0.51 r270; DISPLAY_BOTTOM "3" at 86.828,56.512 h0.51 r270; Bottom Overlay "A" at 37.111,60.877 h0.51; Bottom Overlay "1" at 37.568,59.582 h0.51
U38: PIN_NUMBER "16" at 62.57,55.678 h0.25 r90; PIN_NUMBER "8" at 71.561,50.108 h0.25 r90; PIN_NUMBER "1" at 62.671,50.108 h0.25 r90; PIN_NUMBER "3" at 65.211,50.108 h0.25 r90; PIN_NUMBER "13" at 66.38,55.678 h0.25 r90; PIN_NUMBER "15" at 63.84,55.678 h0.25 r90; PIN_NUMBER "4" at 66.481,50.108 h0.25 r90; PIN_NUMBER "2" at 63.941,50.108 h0.25 r90; PIN_NUMBER "14" at 65.11,55.678 h0.25 r90; PIN_NUMBER "6" at 69.021,50.108 h0.25 r90; PIN_NUMBER "11" at 68.92,55.678 h0.25 r90; PIN_NUMBER "12" at 67.65,55.678 h0.25 r90; PIN_NUMBER "5" at 67.751,50.108 h0.25 r90; PIN_NUMBER "7" at 70.291,50.108 h0.25 r90; PIN_NUMBER "9" at 71.561,55.678 h0.25 r90; PIN_NUMBER "10" at 70.19,55.678 h0.25 r90; Top Overlay "16" at 61.821,55.001 h0.64 r90; Top Overlay "9" at 72.366,56.39 h0.64; Top Overlay "8" at 71.705,48.439 h0.64
U39: PIN_NUMBER "4" at 23.73,38.923 h0.25; PIN_NUMBER "8" at 29.257,42.733 h0.25; PIN_NUMBER "1" at 23.73,42.733 h0.25; PIN_NUMBER "6" at 29.257,40.193 h0.25; PIN_NUMBER "5" at 29.257,38.923 h0.25; PIN_NUMBER "2" at 23.73,41.463 h0.25; PIN_NUMBER "3" at 23.73,40.193 h0.25; PIN_NUMBER "7" at 29.257,41.463 h0.25; Top Overlay "8" at 29.795,43.36 h0.64; Top Overlay "5" at 30.38,38.88 h0.64; Top Overlay "4" at 22.404,38.203 h0.64
U40: PIN_NUMBER "2" at 59.49,33.735 h0.25; PIN_NUMBER "5" at 60.09,33.735 h0.25; PIN_NUMBER "4" at 60.09,33.235 h0.25; PIN_NUMBER "3" at 59.49,33.235 h0.25; PIN_NUMBER "6" at 60.09,34.235 h0.25; PIN_NUMBER "1" at 59.515,34.235 h0.25; Top Overlay "3" at 58.675,33.14 h0.64
U41: PIN_NUMBER "2" at 59.819,30.255 h0.25; PIN_NUMBER "5" at 60.419,30.255 h0.25; PIN_NUMBER "4" at 60.419,29.755 h0.25; PIN_NUMBER "3" at 59.819,29.755 h0.25; PIN_NUMBER "6" at 60.419,30.755 h0.25; PIN_NUMBER "1" at 59.844,30.755 h0.25; Top Overlay "6" at 60.733,30.651 h0.51; Top Overlay "4" at 60.733,29.457 h0.51; Top Overlay "3" at 59.446,28.706 h0.51
U42: PIN_NUMBER "4" at 42.248,42.745 h0.25 r270; PIN_NUMBER "3" at 42.898,42.745 h0.25 r270; PIN_NUMBER "2" at 43.548,42.745 h0.25 r270; PIN_NUMBER "1" at 44.198,42.745 h0.25 r270; PIN_NUMBER "6" at 42.898,38.345 h0.25 r270; PIN_NUMBER "8" at 44.198,38.345 h0.25 r270; PIN_NUMBER "7" at 43.548,38.345 h0.25 r270; PIN_NUMBER "5" at 42.248,38.345 h0.25 r270; Top Overlay "8" at 45.298,37.746 h0.64; Top Overlay "5" at 42.128,38.683 h0.64 r180; Top Overlay "4" at 41.031,42.47 h0.64
U43: PIN_NUMBER "3" at 65.771,17.343 h0.25; PIN_NUMBER "5" at 68.17,19.243 h0.25; PIN_NUMBER "2" at 65.771,18.293 h0.25; PIN_NUMBER "4" at 68.17,17.343 h0.25; PIN_NUMBER "1" at 65.771,19.243 h0.25; Top Overlay "5" at 68.454,19.932 h0.64; Top Overlay "4" at 69.041,17.108 h0.64; Top Overlay "3" at 65.432,16.097 h0.64
U44: PIN_NUMBER "2" at 4.784,6.991 h0.25 r90; PIN_NUMBER "4" at 5.283,8.371 h0.25 r90; PIN_NUMBER "1" at 4.284,6.991 h0.25 r90; PIN_NUMBER "5" at 4.284,8.371 h0.25 r90; PIN_NUMBER "3" at 5.283,6.991 h0.25 r90; Top Overlay "3" at 5.538,6.064 h0.51; Top Overlay "4" at 5.386,8.858 h0.51; Top Overlay "5" at 4.091,8.858 h0.51
U45: PIN_NUMBER "33" at 65.855,1.065 h0.25 r180; PIN_NUMBER "34" at 65.855,1.464 h0.25 r180; PIN_NUMBER "41" at 65.855,4.264 h0.25 r180; PIN_NUMBER "91" at 54.082,14.837 h0.25 r90; PIN_NUMBER "92" at 53.682,14.837 h0.25 r90; PIN_NUMBER "121" at 50.353,3.864 h0.25 r180; PIN_NUMBER "120" at 50.353,4.264 h0.25 r180; PIN_NUMBER "25" at 61.682,-0.563 h0.25 r90; PIN_NUMBER "24" at 61.282,-0.563 h0.25 r90; PIN_NUMBER "23" at 60.882,-0.563 h0.25 r90; PIN_NUMBER "22" at 60.481,-0.563 h0.25 r90; PIN_NUMBER "2" at 52.583,-0.563 h0.25 r90; PIN_NUMBER "125" at 50.353,2.264 h0.25 r180; PIN_NUMBER "126" at 50.353,1.864 h0.25 r180; PIN_NUMBER "127" at 50.353,1.464 h0.25 r180; PIN_NUMBER "128" at 50.353,1.065 h0.25 r180; PIN_NUMBER "15" at 57.682,-0.563 h0.25 r90; PIN_NUMBER "14" at 57.282,-0.563 h0.25 r90; PIN_NUMBER "13" at 56.882,-0.563 h0.25 r90; PIN_NUMBER "12" at 56.481,-0.563 h0.25 r90; PIN_NUMBER "123" at 50.353,3.065 h0.25 r180; PIN_NUMBER "124" at 50.353,2.664 h0.25 r180; PIN_NUMBER "44" at 65.855,5.464 h0.25 r180; PIN_NUMBER "45" at 65.855,5.864 h0.25 r180; PIN_NUMBER "46" at 65.855,6.264 h0.25 r180; PIN_NUMBER "29" at 63.282,-0.563 h0.25 r90; PIN_NUMBER "30" at 63.682,-0.563 h0.25 r90; PIN_NUMBER "31" at 64.082,-0.563 h0.25 r90; PIN_NUMBER "32" at 64.481,-0.563 h0.25 r90; PIN_NUMBER "116" at 50.353,5.864 h0.25 r180; PIN_NUMBER "117" at 50.353,5.464 h0.25 r180; PIN_NUMBER "18" at 58.882,-0.563 h0.25 r90; PIN_NUMBER "19" at 59.282,-0.563 h0.25 r90; PIN_NUMBER "20" at 59.682,-0.563 h0.25 r90; PIN_NUMBER "21" at 60.082,-0.563 h0.25 r90; PIN_NUMBER "83" at 57.282,14.837 h0.25 r90; PIN_NUMBER "84" at 56.882,14.837 h0.25 r90; PIN_NUMBER "85" at 56.481,14.837 h0.25 r90; PIN_NUMBER "86" at 56.082,14.837 h0.25 r90; PIN_NUMBER "107" at 50.353,9.464 h0.25 r180; PIN_NUMBER "108" at 50.353,9.064 h0.25 r180; PIN_NUMBER "109" at 50.353,8.664 h0.25 r180; PIN_NUMBER "110" at 50.353,8.264 h0.25 r180; PIN_NUMBER "111" at 50.353,7.864 h0.25 r180; PIN_NUMBER "112" at 50.353,7.464 h0.25 r180; PIN_NUMBER "118" at 50.353,5.065 h0.25 r180; PIN_NUMBER "119" at 50.353,4.664 h0.25 r180; PIN_NUMBER "103" at 50.353,11.064 h0.25 r180; PIN_NUMBER "104" at 50.353,10.664 h0.25 r180; PIN_NUMBER "105" at 50.353,10.264 h0.25 r180; PIN_NUMBER "106" at 50.353,9.864 h0.25 r180; PIN_NUMBER "5" at 53.783,-0.563 h0.25 r90; PIN_NUMBER "6" at 54.183,-0.563 h0.25 r90; PIN_NUMBER "11" at 56.082,-0.563 h0.25 r90; PIN_NUMBER "27" at 62.481,-0.563 h0.25 r90; PIN_NUMBER "102" at 50.353,11.464 h0.25 r180; PIN_NUMBER "56" at 65.855,10.264 h0.25 r180; PIN_NUMBER "57" at 65.855,10.664 h0.25 r180; PIN_NUMBER "53" at 65.855,9.064 h0.25 r180; PIN_NUMBER "54" at 65.855,9.464 h0.25 r180; PIN_NUMBER "65" at 64.481,14.837 h0.25 r90; PIN_NUMBER "67" at 63.682,14.837 h0.25 r90; PIN_NUMBER "48" at 65.855,7.065 h0.25 r180; PIN_NUMBER "80" at 58.481,14.837 h0.25 r90; PIN_NUMBER "10" at 55.682,-0.563 h0.25 r90; PIN_NUMBER "58" at 65.855,11.064 h0.25 r180; PIN_NUMBER "64" at 65.855,13.464 h0.25 r180; PIN_NUMBER "66" at 64.082,14.837 h0.25 r90; PIN_NUMBER "114" at 50.353,6.664 h0.25 r180; PIN_NUMBER "55" at 65.855,9.864 h0.25 r180; PIN_NUMBER "17" at 58.481,-0.563 h0.25 r90; PIN_NUMBER "35" at 65.855,1.864 h0.25 r180; PIN_NUMBER "115" at 50.353,6.264 h0.25 r180; PIN_NUMBER "87" at 55.682,14.837 h0.25 r90; PIN_NUMBER "93" at 53.282,14.837 h0.25 r90; PIN_NUMBER "42" at 65.855,4.664 h0.25 r180; PIN_NUMBER "37" at 65.855,2.664 h0.25 r180; PIN_NUMBER "89" at 54.882,14.837 h0.25 r90; PIN_NUMBER "43" at 65.855,5.065 h0.25 r180; PIN_NUMBER "40" at 65.855,3.864 h0.25 r180; PIN_NUMBER "70" at 62.481,14.837 h0.25 r90; PIN_NUMBER "94" at 52.882,14.837 h0.25 r90; PIN_NUMBER "100" at 50.353,12.264 h0.25 r180; PIN_NUMBER "88" at 55.282,14.837 h0.25 r90; PIN_NUMBER "97" at 50.455,13.464 h0.25 r180; PIN_NUMBER "38" at 65.855,3.065 h0.25 r180; PIN_NUMBER "59" at 65.855,11.464 h0.25 r180; PIN_NUMBER "99" at 50.455,12.664 h0.25 r180; PIN_NUMBER "47" at 65.855,6.664 h0.25 r180; PIN_NUMBER "8" at 54.983,-0.563 h0.25 r90; PIN_NUMBER "7" at 54.583,-0.563 h0.25 r90; PIN_NUMBER "113" at 50.353,7.065 h0.25 r180; PIN_NUMBER "26" at 62.082,-0.563 h0.25 r90; PIN_NUMBER "28" at 62.882,-0.563 h0.25 r90; PIN_NUMBER "69" at 62.882,14.837 h0.25 r90; PIN_NUMBER "79" at 58.882,14.837 h0.25 r90; PIN_NUMBER "90" at 54.481,14.837 h0.25 r90; PIN_NUMBER "101" at 50.353,11.864 h0.25 r180; PIN_NUMBER "122" at 50.353,3.464 h0.25 r180; PIN_NUMBER "51" at 65.855,8.264 h0.25 r180; PIN_NUMBER "52" at 65.855,8.664 h0.25 r180; PIN_NUMBER "16" at 58.082,-0.563 h0.25 r90; PIN_NUMBER "39" at 65.855,3.464 h0.25 r180; PIN_NUMBER "36" at 65.855,2.264 h0.25 r180; PIN_NUMBER "9" at 55.383,-0.563 h0.25 r90; PIN_NUMBER "98" at 50.455,13.064 h0.25 r180; PIN_NUMBER "62" at 65.855,12.664 h0.25 r180; PIN_NUMBER "3" at 52.983,-0.563 h0.25 r90; PIN_NUMBER "1" at 52.183,-0.563 h0.25 r90; PIN_NUMBER "4" at 53.383,-0.563 h0.25 r90; PIN_NUMBER "60" at 65.855,11.864 h0.25 r180; PIN_NUMBER "95" at 52.481,14.837 h0.25 r90; PIN_NUMBER "96" at 52.082,14.837 h0.25 r90; PIN_NUMBER "63" at 65.855,13.064 h0.25 r180; PIN_NUMBER "61" at 65.855,12.264 h0.25 r180; PIN_NUMBER "68" at 63.282,14.837 h0.25 r90; PIN_NUMBER "75" at 60.481,14.837 h0.25 r90; PIN_NUMBER "49" at 65.855,7.464 h0.25 r180; PIN_NUMBER "50" at 65.855,7.864 h0.25 r180; PIN_NUMBER "73" at 61.282,14.837 h0.25 r90; PIN_NUMBER "74" at 60.882,14.837 h0.25 r90; PIN_NUMBER "72" at 61.682,14.837 h0.25 r90; PIN_NUMBER "71" at 62.082,14.837 h0.25 r90; PIN_NUMBER "77" at 59.682,14.837 h0.25 r90; PIN_NUMBER "76" at 60.082,14.837 h0.25 r90; PIN_NUMBER "78" at 59.282,14.837 h0.25 r90; PIN_NUMBER "82" at 57.682,14.837 h0.25 r90; PIN_NUMBER "81" at 58.082,14.837 h0.25 r90; Top Overlay "128" at 49.709,-0.032 h0.51; Top Overlay "97" at 48.96,12.896 h0.51; Top Overlay "96" at 51.932,15.47 h0.51 r180; Top Overlay "65" at 64.784,14.979 h0.51; Top Overlay "64" at 67.019,13.1 h0.51; Top Overlay "33" at 66.003,0.044 h0.51; Top Overlay "32" at 64.124,-2.191 h0.51
U46: PIN_NUMBER "51" at 21.433,11.273 h0.25 r90; PIN_NUMBER "15" at 12.856,2.196 h0.25; PIN_NUMBER "1" at 12.958,9.196 h0.25; PIN_NUMBER "5" at 12.958,7.196 h0.25; PIN_NUMBER "13" at 12.856,3.196 h0.25; PIN_NUMBER "11" at 12.856,4.196 h0.25; PIN_NUMBER "10" at 12.856,4.696 h0.25; PIN_NUMBER "25" at 18.933,-0.127 h0.25 r90; PIN_NUMBER "35" at 24.256,2.696 h0.25; PIN_NUMBER "47" at 24.256,8.696 h0.25; PIN_NUMBER "6" at 12.958,6.696 h0.25; PIN_NUMBER "48" at 24.256,9.196 h0.25; PIN_NUMBER "7" at 12.958,6.196 h0.25; PIN_NUMBER "20" at 16.433,-0.127 h0.25 r90; PIN_NUMBER "50" at 21.933,11.273 h0.25 r90; PIN_NUMBER "56" at 18.933,11.273 h0.25 r90; PIN_NUMBER "42" at 24.256,6.196 h0.25; PIN_NUMBER "31" at 21.933,-0.127 h0.25 r90; PIN_NUMBER "4" at 12.958,7.696 h0.25; PIN_NUMBER "62" at 15.933,11.273 h0.25 r90; PIN_NUMBER "63" at 15.433,11.273 h0.25 r90; PIN_NUMBER "52" at 20.933,11.273 h0.25 r90; PIN_NUMBER "41" at 24.256,5.696 h0.25; PIN_NUMBER "16" at 12.856,1.696 h0.25; PIN_NUMBER "60" at 16.933,11.273 h0.25 r90; PIN_NUMBER "39" at 24.256,4.696 h0.25; PIN_NUMBER "17" at 14.933,-0.127 h0.25 r90; PIN_NUMBER "9" at 12.958,5.196 h0.25; PIN_NUMBER "14" at 12.856,2.696 h0.25; PIN_NUMBER "61" at 16.433,11.273 h0.25 r90; PIN_NUMBER "54" at 19.933,11.273 h0.25 r90; PIN_NUMBER "3" at 12.958,8.196 h0.25; PIN_NUMBER "37" at 24.256,3.696 h0.25; PIN_NUMBER "49" at 22.433,11.273 h0.25 r90; PIN_NUMBER "64" at 14.933,11.273 h0.25 r90; PIN_NUMBER "12" at 12.856,3.696 h0.25; PIN_NUMBER "38" at 24.256,4.196 h0.25; PIN_NUMBER "8" at 12.958,5.696 h0.25; PIN_NUMBER "2" at 12.958,8.696 h0.25; PIN_NUMBER "53" at 20.433,11.273 h0.25 r90; PIN_NUMBER "40" at 24.256,5.196 h0.25; PIN_NUMBER "36" at 24.256,3.196 h0.25; PIN_NUMBER "59" at 17.433,11.273 h0.25 r90; PIN_NUMBER "58" at 17.933,11.273 h0.25 r90; PIN_NUMBER "57" at 18.433,11.273 h0.25 r90; PIN_NUMBER "55" at 19.433,11.273 h0.25 r90; PIN_NUMBER "46" at 24.256,8.196 h0.25; PIN_NUMBER "45" at 24.256,7.696 h0.25; PIN_NUMBER "44" at 24.256,7.196 h0.25; PIN_NUMBER "43" at 24.256,6.696 h0.25; PIN_NUMBER "34" at 24.256,2.196 h0.25; PIN_NUMBER "33" at 24.256,1.696 h0.25; PIN_NUMBER "32" at 22.433,-0.127 h0.25 r90; PIN_NUMBER "30" at 21.433,-0.127 h0.25 r90; PIN_NUMBER "24" at 18.433,-0.127 h0.25 r90; PIN_NUMBER "23" at 17.933,-0.127 h0.25 r90; PIN_NUMBER "22" at 17.433,-0.127 h0.25 r90; PIN_NUMBER "21" at 16.933,-0.127 h0.25 r90; PIN_NUMBER "27" at 19.933,-0.127 h0.25 r90; PIN_NUMBER "29" at 20.933,-0.127 h0.25 r90; PIN_NUMBER "26" at 19.433,-0.127 h0.25 r90; PIN_NUMBER "28" at 20.433,-0.127 h0.25 r90; PIN_NUMBER "19" at 15.933,-0.127 h0.25 r90; PIN_NUMBER "18" at 15.433,-0.127 h0.25 r90; Top Overlay "16" at 12.054,0.882 h0.51; Top Overlay "17" at 14.492,-1.683 h0.51; Top Overlay "32" at 22.798,-0.972 h0.51; Top Overlay "33" at 24.449,0.908 h0.51; Top Overlay "48" at 24.627,9.772 h0.51; Top Overlay "49" at 22.823,12.278 h0.51 r90; Top Overlay "64" at 14.543,12.261 h0.51
U47: PIN_NUMBER "2" at 68.855,-1.488 h0.25; PIN_NUMBER "4" at 71.055,-2.138 h0.25; PIN_NUMBER "5" at 71.055,-0.838 h0.25; PIN_NUMBER "1" at 68.855,-0.838 h0.25; PIN_NUMBER "3" at 68.855,-2.138 h0.25; Top Overlay "3" at 68.632,-2.877 h0.51; Top Overlay "4" at 71.873,-2.521 h0.51; Top Overlay "5" at 71.873,-1.251 h0.51
U48: PIN_NUMBER "B1" at 10.456,125.571 h0.25 r270; PIN_NUMBER "A2" at 10.856,125.971 h0.25 r270; PIN_NUMBER "A1" at 10.856,125.571 h0.25 r270; PIN_NUMBER "B2" at 10.456,125.971 h0.25 r270
U49: PIN_NUMBER "20" at 54.736,104.347 h0.25 r270; PIN_NUMBER "23" at 53.236,104.347 h0.25 r270; PIN_NUMBER "21" at 54.236,104.347 h0.25 r270; PIN_NUMBER "22" at 53.736,104.347 h0.25 r270; PIN_NUMBER "49" at 55.613,107.72 h0.25; PIN_NUMBER "30" at 52.113,107.47 h0.25; PIN_NUMBER "41" at 54.736,111.347 h0.25 r270; PIN_NUMBER "19" at 55.236,104.347 h0.25 r270; PIN_NUMBER "44" at 56.236,111.347 h0.25 r270; PIN_NUMBER "16" at 56.736,104.347 h0.25 r270; PIN_NUMBER "17" at 56.236,104.347 h0.25 r270; PIN_NUMBER "24" at 52.736,104.347 h0.25 r270; PIN_NUMBER "6" at 59.215,107.97 h0.25; PIN_NUMBER "42" at 55.236,111.347 h0.25 r270; PIN_NUMBER "31" at 52.113,107.97 h0.25; PIN_NUMBER "34" at 52.113,109.47 h0.25; PIN_NUMBER "37" at 52.736,111.347 h0.25 r270; PIN_NUMBER "29" at 52.113,106.97 h0.25; PIN_NUMBER "4" at 59.215,108.97 h0.25; PIN_NUMBER "46" at 57.236,111.347 h0.25 r270; PIN_NUMBER "33" at 52.113,108.97 h0.25; PIN_NUMBER "1" at 59.215,110.47 h0.25; PIN_NUMBER "28" at 52.113,106.47 h0.25; PIN_NUMBER "10" at 59.113,105.97 h0.25; PIN_NUMBER "11" at 59.113,105.47 h0.25; PIN_NUMBER "15" at 57.236,104.347 h0.25 r270; PIN_NUMBER "27" at 52.113,105.97 h0.25; PIN_NUMBER "5" at 59.215,108.47 h0.25; PIN_NUMBER "18" at 55.736,104.347 h0.25 r270; PIN_NUMBER "45" at 56.736,111.347 h0.25 r270; PIN_NUMBER "43" at 55.736,111.347 h0.25 r270; PIN_NUMBER "38" at 53.236,111.347 h0.25 r270; PIN_NUMBER "36" at 52.113,110.47 h0.25; PIN_NUMBER "8" at 59.215,106.97 h0.25; PIN_NUMBER "47" at 57.736,111.347 h0.25 r270; PIN_NUMBER "26" at 52.113,105.47 h0.25; PIN_NUMBER "7" at 59.215,107.47 h0.25; PIN_NUMBER "25" at 52.113,104.97 h0.25; PIN_NUMBER "35" at 52.113,109.97 h0.25; PIN_NUMBER "2" at 59.215,109.97 h0.25; PIN_NUMBER "3" at 59.215,109.47 h0.25; PIN_NUMBER "9" at 59.215,106.47 h0.25; PIN_NUMBER "12" at 59.113,104.97 h0.25; PIN_NUMBER "32" at 52.113,108.47 h0.25; PIN_NUMBER "39" at 53.736,111.347 h0.25 r270; PIN_NUMBER "40" at 54.236,111.347 h0.25 r270; PIN_NUMBER "48" at 58.236,111.347 h0.25 r270; PIN_NUMBER "13" at 58.236,104.347 h0.25 r270; PIN_NUMBER "14" at 57.736,104.347 h0.25 r270; Bottom Overlay "24" at 54.014,103.27 h0.51; Bottom Overlay "12" at 60.745,105.251 h0.51; Bottom Overlay "13" at 59.425,103.244 h0.51; Bottom Overlay "25" at 51.754,104.489 h0.51; Bottom Overlay "36" at 51.805,109.797 h0.51; Bottom Overlay "37" at 53.989,111.906 h0.51; Bottom Overlay "48" at 59.196,112.007 h0.51